# Altium PCB FlatSat Half1.PcbDoc (part 8 of 9)
Units mil, origin at the board's own origin, x right, y up, seen from the top; angles counter-clockwise.
Board outline 4682 x 10392 mil, 4 copper layers (Top Layer, STR GND 1, STR GND 2, Bottom Layer), stack 33.434 mil thick; 231 components, 255 nets, 990 pads, 1106 vias.
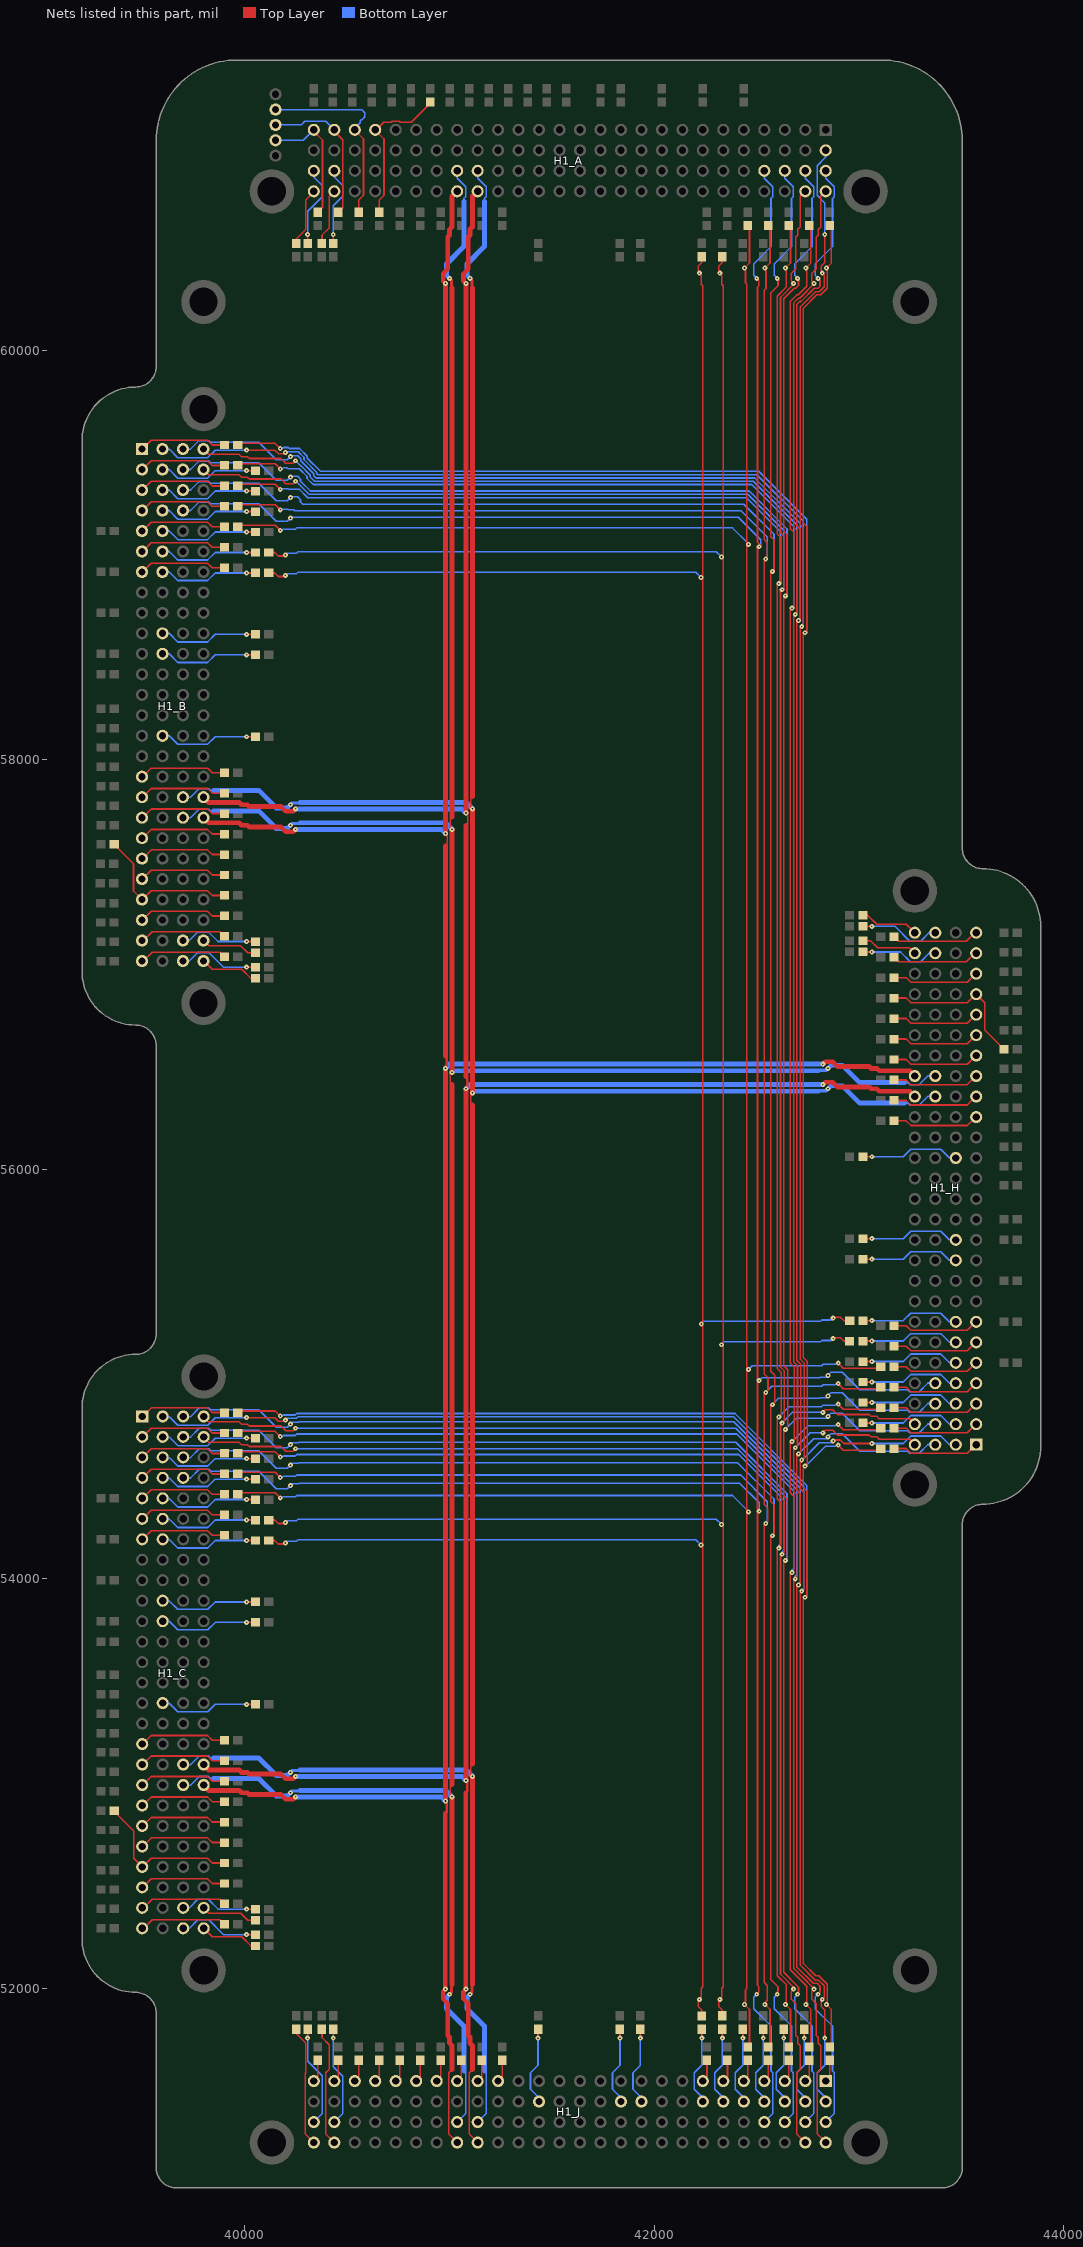
[diagram p10: the nets of this part, all layers, seen from the top]

## Via types
v1: diameter 24, hole 8, Top Layer to Bottom Layer, 1106 vias

## Nets (pads, with @x,y where several pads share a name; then routed paths per layer and width w, separated by ;. In a path a pad name is that pad's centre, name@x,y a point inside that pad or via, vN(x,y) a via of type N, cw(c..) or ccw(c..) an arc to the next point about the centre after c; other vN are vias at no path point) (continued)
NetH1_A_45: H1_A.45 J45_A.1 R45_A.2 | length 756.2
  Top Layer w8: H1_A.45@40637,61071 H1_A.45@40638.26,61072.26 ; H1_A.45@40637,61073.52 H1_A.45@40638.26,61072.26 ; R45_A.2@40657,60673.48 40657,60733.38 40679.53,60755.9 40679.53,61030.99 H1_A.45@40638.26,61072.26 ; J45_A.1@40906.31,61206.52 40812.79,61113 40758.73,61113 40754.2,61117.53 40719.8,61117.53 40714.8,61112.53 40678.53,61112.53 H1_A.45@40638.26,61072.26
NetH1_A_47: H1_A.47 pad.10 R47_A.2 | length 975.1
  Top Layer w8: H1_A.47@40537,61073.52 40579.53,61030.99 40579.53,60755.9 40557,60733.38 R47_A.2@40557,60673.48
  Bottom Layer w8: pad.10@40150,61175 40570.94,61175 40586,61159.94 40586,61140.06 40571.94,61126 40569.06,61126 40563.47,61120.41 40563.47,61110.47 40537,61084 H1_A.47@40537,61076
NetH1_A_49: H1_A.49 pad.9 R49_A.2 | length 737.6
  Top Layer w8: H1_A.49@40437,61073.52 40437,61068.57 40478.53,61027.05 40478.53,60695.01 R49_A.2@40457,60673.48
  Bottom Layer w8: pad.9@40150,61100 40275,61100 40292.53,61117.53 40395.47,61117.53 H1_A.49@40437,61076
NetH1_A_51: H1_A.51 pad.8 R51_A.2 | length 635.1
  Top Layer w8: H1_A.51@40337,61073.52 40337,61068.57 40379.53,61026.05 40379.53,60696.01 R51_A.2@40357,60673.48
  Bottom Layer w8: pad.8@40150,61025 40286,61025 H1_A.51@40337,61076
NetH1_A_101: H1_A.101 R101_A.1 | length 392.4
  Top Layer w8: R101_A.1@40431.67,60526.81 R101_A.1@40431.67,60536.81 ; R101_A.1@40432,60513.48 40432,60551
  Bottom Layer w8: v1(40432,60565) 40432,60705 40478.53,60751.53 40478.53,60793.2 ; H1_A.101@40437,60873.52 40437,60846 40478.47,60804.53 40478.47,60793.26
NetH1_A_102: H1_A.102 R102_A.2 | length 261.7
  Top Layer w8: R102_A.2@40376.67,60536.81 40377,60537.14 40377,60562 40412,60597 40412,60748.52 H1_A.102@40437,60773.52
NetH1_A_103: H1_A.103 R103_A.2 | length 382.9
  Top Layer w8: R103_A.2@40306.67,60536.81 v1@40306.67,60554.33 ; R103_A.2@40307,60531 R103_A.2@40307,60541
  Bottom Layer w8: v1(40307,60565) 40307,60678 40378.53,60749.53 40378.53,60793.2 40378.47,60793.26 40378.47,60804.53 40337,60846 H1_A.103@40337,60873.52
NetH1_A_104: H1_A.104 R104_A.1 | length 272.7
  Top Layer w8: R104_A.1@40252,60536 40252,60543.94 40297.06,60589 40297.06,60733.58 H1_A.104@40337,60773.52
NetH1_B_1: H1_B.1 R1_B.2 | length 427
  Top Layer w8: H1_B.1@39500.48,59517 39543.01,59559.53 39818.1,59559.53 39840.62,59537 R1_B.2@39900.52,59537
NetH1_B_3: H1_B.3 R3_B.2 | length 427
  Top Layer w8: H1_B.3@39500.48,59417 39543.01,59459.53 39818.1,59459.53 39840.62,59437 R3_B.2@39900.52,59437
NetH1_B_4: H1_B.4 R4_B.1 | length 486.9
  Top Layer w8: v1(40009,59412) R4_B.1@40052.19,59412
  Bottom Layer w8: H1_B.4@39598,59417 39631,59417 39673,59375 39818,59375 39855,59412 v1(40009,59412)
NetH1_B_5: H1_B.5 R5_B.2 | length 427
  Top Layer w8: H1_B.5@39500.48,59317 39543.01,59359.53 39818.1,59359.53 39840.62,59337 R5_B.2@39900.52,59337
NetH1_B_6: H1_B.6 R6_B.1 | length 486.9
  Top Layer w8: v1(40009,59312) R6_B.1@40052.19,59312
  Bottom Layer w8: H1_B.6@39598,59317 39631,59317 39673,59275 39818,59275 39855,59312 v1(40009,59312)
NetH1_B_7: H1_B.7 R7_B.2 | length 427
  Top Layer w8: H1_B.7@39500.48,59217 39543.01,59259.53 39818.1,59259.53 39840.62,59237 R7_B.2@39900.52,59237
NetH1_B_8: H1_B.8 R8_B.1 | length 486.9
  Top Layer w8: v1(40009,59212) R8_B.1@40052.19,59212
  Bottom Layer w8: H1_B.8@39598,59217 39631,59217 39673,59175 39818,59175 39855,59212 v1(40009,59212)
NetH1_B_9: H1_B.9 R9_B.2 | length 427
  Top Layer w8: H1_B.9@39500.48,59117 39543.01,59159.53 39818.1,59159.53 39840.62,59137 R9_B.2@39900.52,59137
NetH1_B_10: H1_B.10 R10_B.1 | length 486.9
  Top Layer w8: v1(40009,59112) R10_B.1@40052.19,59112
  Bottom Layer w8: H1_B.10@39598,59117 39631,59117 39673,59075 39818,59075 39855,59112 v1(40009,59112)
NetH1_B_11: H1_B.11 R11_B.2 | length 427
  Top Layer w8: H1_B.11@39500.48,59017 39543.01,59059.53 39818.1,59059.53 39840.62,59037 R11_B.2@39900.52,59037
NetH1_B_12: H1_B.12 R12_B.1 | length 486.9
  Top Layer w8: v1(40009,59012) R12_B.1@40052.19,59012
  Bottom Layer w8: H1_B.12@39598,59017 39631,59017 39673,58975 39818,58975 39855,59012 v1(40009,59012)
NetH1_B_13: H1_B.13 R13_B.2 | length 427
  Top Layer w8: H1_B.13@39500.48,58917 39543.01,58959.53 39818.1,58959.53 39840.62,58937 R13_B.2@39900.52,58937
NetH1_B_14: H1_B.14 R14_B.1 | length 486.9
  Top Layer w8: v1(40009,58912) R14_B.1@40052.19,58912
  Bottom Layer w8: H1_B.14@39598,58917 39631,58917 39673,58875 39818,58875 39855,58912 v1(40009,58912)
NetH1_B_20: H1_B.20 R20_B.1 | length 486.9
  Top Layer w8: v1(40009,58612) R20_B.1@40052.19,58612
  Bottom Layer w8: H1_B.20@39598,58617 39631,58617 39673,58575 39818,58575 39855,58612 v1(40009,58612)
NetH1_B_22: H1_B.22 R22_B.1 | length 486.9
  Top Layer w8: v1(40009,58512) R22_B.1@40052.19,58512
  Bottom Layer w8: H1_B.22@39598,58517 39631,58517 39673,58475 39818,58475 39855,58512 v1(40009,58512)
NetH1_B_30: H1_B.30 R30_B.1 | length 486.9
  Top Layer w8: v1(40009,58112) R30_B.1@40052.19,58112
  Bottom Layer w8: H1_B.30@39598,58117 39631,58117 39673,58075 39818,58075 39855,58112 v1(40009,58112)
NetH1_B_33: H1_B.33 R33_B.2 | length 426.2
  Top Layer w8: H1_B.33@39500.48,57917 39542.01,57958.53 39819.1,57958.53 39840.62,57937 R33_B.2@39900.52,57937
NetH1_B_35: H1_B.35 R35_B.1 | length 427
  Top Layer w8: H1_B.35@39500.48,57817 39543.01,57859.53 39818.1,57859.53 39840.62,57837 R35_B.1@39900.52,57837
NetH1_B_37: H1_B.37 R37_B.2 | length 427
  Top Layer w8: H1_B.37@39500.48,57717 39543.01,57759.53 39818.1,57759.53 39840.62,57737 R37_B.2@39900.52,57737
NetH1_B_39: H1_B.39 R39_B.2 | length 427
  Top Layer w8: H1_B.39@39500.48,57617 39543.01,57659.53 39818.1,57659.53 39840.62,57637 R39_B.2@39900.52,57637
NetH1_B_41: H1_B.41 R41_B.2 | length 427
  Top Layer w8: H1_B.41@39500.48,57517 39543.01,57559.53 39818.1,57559.53 39840.62,57537 R41_B.2@39900.52,57537
NetH1_B_43: H1_B.43 R43_B.2 | length 427
  Top Layer w8: H1_B.43@39500.48,57417 39543.01,57459.53 39818.1,57459.53 39840.62,57437 R43_B.2@39900.52,57437
NetH1_B_45: H1_B.45 J45_B.1 R45_B.2 | length 754.9
  Top Layer w8: J45_B.1@39362.48,57586.31 39456.47,57492.32 39456.47,57358.53 H1_B.45@39498,57317 39500.48,57317 39543.01,57359.53 39818.1,57359.53 39840.62,57337 R45_B.2@39900.52,57337
NetH1_B_47: H1_B.47 R47_B.2 | length 427
  Top Layer w8: H1_B.47@39500.48,57217 39543.01,57259.53 39818.1,57259.53 39840.62,57237 R47_B.2@39900.52,57237
NetH1_B_49: H1_B.49 R49_B.2 | length 427
  Top Layer w8: H1_B.49@39500.48,57117 39505.43,57117 39547.9,57159.47 39721.83,57159.47 39721.88,57159.53 39877.99,57159.53 R49_B.2@39900.52,57137
NetH1_B_51: H1_B.51 R51_B.2 | length 427
  Top Layer w8: H1_B.51@39500.48,57017 39505.43,57017 39547.95,57059.53 39877.99,57059.53 R51_B.2@39900.52,57037
NetH1_B_101: H1_B.101 R101_B.1 | length 392.4
  Top Layer w8: 40023,57112 R101_B.1@40060.52,57112 ; R101_B.1@40037.19,57111.67 R101_B.1@40047.19,57111.67
  Bottom Layer w8: H1_B.101@39700.48,57117 39728,57117 39769.47,57158.47 39780.74,57158.47 ; 39780.8,57158.53 39822.47,57158.53 39869,57112 v1(40009,57112)
NetH1_B_102: H1_B.102 R102_B.2 | length 261.7
  Top Layer w8: H1_B.102@39800.48,57117 39825.48,57092 39979,57092 40014,57057 40036.86,57057 R102_B.2@40037.19,57056.67
NetH1_B_103: H1_B.103 R103_B.2 | length 382.9
  Top Layer w8: v1@40019.67,56986.67 R103_B.2@40037.19,56986.67 ; R103_B.2@40033,56987 R103_B.2@40043,56987
  Bottom Layer w8: H1_B.103@39700.48,57017 39728,57017 39769.47,57058.47 39780.74,57058.47 39780.8,57058.53 39824.47,57058.53 39896,56987 v1(40009,56987)
NetH1_B_104: H1_B.104 R104_B.1 | length 272.7
  Top Layer w8: H1_B.104@39800.48,57017 39840.42,56977.06 39985,56977.06 40030.06,56932 R104_B.1@40038,56932
NetH1_C_1: H1_C.1 R1_C.2 | length 427
  Top Layer w8: H1_C.1@39500.48,54792 39543.01,54834.53 39818.1,54834.53 39840.62,54812 R1_C.2@39900.52,54812
NetH1_C_3: H1_C.3 R3_C.2 | length 427
  Top Layer w8: H1_C.3@39500.48,54692 39543.01,54734.53 39818.1,54734.53 39840.62,54712 R3_C.2@39900.52,54712
NetH1_C_4: H1_C.4 R4_C.1 | length 486.5
  Top Layer w8: v1(40009,54687) R4_C.1@40052.19,54687
  Bottom Layer w8: H1_C.4@39598,54692 39631,54692 39672.47,54650.53 39818.53,54650.53 39855,54687 v1(40009,54687)
NetH1_C_5: H1_C.5 R5_C.2 | length 427
  Top Layer w8: H1_C.5@39500.48,54592 39543.01,54634.53 39818.1,54634.53 39840.62,54612 R5_C.2@39900.52,54612
NetH1_C_6: H1_C.6 R6_C.1 | length 486.5
  Top Layer w8: v1(40009,54587) R6_C.1@40052.19,54587
  Bottom Layer w8: H1_C.6@39598,54592 39631,54592 39672.47,54550.53 39818.53,54550.53 39855,54587 v1(40009,54587)
NetH1_C_7: H1_C.7 R7_C.2 | length 427
  Top Layer w8: H1_C.7@39500.48,54492 39543.01,54534.53 39818.1,54534.53 39840.62,54512 R7_C.2@39900.52,54512
NetH1_C_8: H1_C.8 R8_C.1 | length 486.5
  Top Layer w8: v1(40009,54487) R8_C.1@40052.19,54487
  Bottom Layer w8: H1_C.8@39598,54492 39631,54492 39672.47,54450.53 39818.53,54450.53 39855,54487 v1(40009,54487)
NetH1_C_9: H1_C.9 R9_C.2 | length 427
  Top Layer w8: H1_C.9@39500.48,54392 39543.01,54434.53 39818.1,54434.53 39840.62,54412 R9_C.2@39900.52,54412
NetH1_C_10: H1_C.10 R10_C.1 | length 486.5
  Top Layer w8: v1(40009,54387) R10_C.1@40052.19,54387
  Bottom Layer w8: H1_C.10@39598,54392 39631,54392 39672.47,54350.53 39818.53,54350.53 39855,54387 v1(40009,54387)
NetH1_C_11: H1_C.11 R11_C.2 | length 427
  Top Layer w8: H1_C.11@39500.48,54292 39543.01,54334.53 39818.1,54334.53 39840.62,54312 R11_C.2@39900.52,54312
NetH1_C_12: H1_C.12 R12_C.1 | length 486.5
  Top Layer w8: v1(40009,54287) R12_C.1@40052.19,54287
  Bottom Layer w8: H1_C.12@39598,54292 39631,54292 39672.47,54250.53 39818.53,54250.53 39855,54287 v1(40009,54287)
NetH1_C_13: H1_C.13 R13_C.2 | length 427
  Top Layer w8: H1_C.13@39500.48,54192 39543.01,54234.53 39818.1,54234.53 39840.62,54212 R13_C.2@39900.52,54212
NetH1_C_14: H1_C.14 R14_C.1 | length 486.5
  Top Layer w8: v1(40009,54187) R14_C.1@40052.19,54187
  Bottom Layer w8: H1_C.14@39598,54192 39631,54192 39672.47,54150.53 39818.53,54150.53 39855,54187 v1(40009,54187)
NetH1_C_20: H1_C.20 R20_C.1 | length 486.5
  Top Layer w8: v1(40009,53887) R20_C.1@40052.19,53887
  Bottom Layer w8: H1_C.20@39598,53892 39631,53892 39672.47,53850.53 39818.53,53850.53 39855,53887 v1(40009,53887)
NetH1_C_22: H1_C.22 R22_C.1 | length 486.5
  Top Layer w8: v1(40009,53787) R22_C.1@40052.19,53787
  Bottom Layer w8: H1_C.22@39598,53792 39631,53792 39672.47,53750.53 39818.53,53750.53 39855,53787 v1(40009,53787)
NetH1_C_30: H1_C.30 R30_C.1 | length 486.5
  Top Layer w8: v1(40009,53387) R30_C.1@40052.19,53387
  Bottom Layer w8: H1_C.30@39598,53392 39631,53392 39672.47,53350.53 39818.53,53350.53 39855,53387 v1(40009,53387)
NetH1_C_33: H1_C.33 R33_C.2 | length 427
  Top Layer w8: H1_C.33@39500.48,53192 39543.01,53234.53 39818.1,53234.53 39840.62,53212 R33_C.2@39900.52,53212
NetH1_C_35: H1_C.35 R35_C.1 | length 427
  Top Layer w8: H1_C.35@39500.48,53092 39543.01,53134.53 39818.1,53134.53 39840.62,53112 R35_C.1@39900.52,53112
NetH1_C_37: H1_C.37 R37_C.2 | length 427
  Top Layer w8: H1_C.37@39500.48,52992 39543.01,53034.53 39818.1,53034.53 39840.62,53012 R37_C.2@39900.52,53012
NetH1_C_39: H1_C.39 R39_C.2 | length 427
  Top Layer w8: H1_C.39@39500.48,52892 39543.01,52934.53 39818.1,52934.53 39840.62,52912 R39_C.2@39900.52,52912
NetH1_C_41: H1_C.41 R41_C.2 | length 427
  Top Layer w8: H1_C.41@39500.48,52792 39543.01,52834.53 39818.1,52834.53 39840.62,52812 R41_C.2@39900.52,52812
NetH1_C_43: H1_C.43 R43_C.2 | length 427
  Top Layer w8: H1_C.43@39500.48,52692 39543.01,52734.53 39818.1,52734.53 39840.62,52712 R43_C.2@39900.52,52712
NetH1_C_45: H1_C.45 J45_C.1 R45_C.2 | length 752.4
  Top Layer w8: J45_C.1@39363.48,52862.31 39457.47,52768.32 39457.47,52634.53 H1_C.45@39499,52593 ; H1_C.45@39500.48,52592 39543.01,52634.53 39818.1,52634.53 39840.62,52612 R45_C.2@39900.52,52612
NetH1_C_47: H1_C.47 R47_C.2 | length 427
  Top Layer w8: H1_C.47@39500.48,52492 39543.01,52534.53 39818.1,52534.53 39840.62,52512 R47_C.2@39900.52,52512
NetH1_C_49: H1_C.49 R49_C.2 | length 427
  Top Layer w8: H1_C.49@39500.48,52392 39505.43,52392 39547.95,52434.53 39877.99,52434.53 R49_C.2@39900.52,52412
NetH1_C_51: H1_C.51 R51_C.2 | length 427
  Top Layer w8: H1_C.51@39500.48,52292 39505.43,52292 39547.95,52334.53 39877.99,52334.53 R51_C.2@39900.52,52312
NetH1_C_101: H1_C.101 R101_C.1 | length 393.3
  Top Layer w8: 40023,52387 R101_C.1@40060.52,52387 ; R101_C.1@40037.19,52386.67 R101_C.1@40047.19,52386.67
  Bottom Layer w8: H1_C.101@39700.48,52392 39728,52392 39770.53,52434.53 39821.47,52434.53 39869,52387 v1(40009,52387)
NetH1_C_102: H1_C.102 R102_C.2 | length 261.7
  Top Layer w8: H1_C.102@39800.48,52392 39825.48,52367 39980,52367 40015,52332 40036.86,52332 R102_C.2@40037.19,52331.67
NetH1_C_103: H1_C.103 R103_C.2 | length 383.7
  Top Layer w8: v1@40019.67,52261.67 R103_C.2@40037.19,52261.67 ; R103_C.2@40033,52262 R103_C.2@40043,52262
  Bottom Layer w8: H1_C.103@39700.48,52292 39728,52292 39770.53,52334.53 39823.47,52334.53 39896,52262 v1(40009,52262)
NetH1_C_104: H1_C.104 R104_C.1 | length 272.7
  Top Layer w8: H1_C.104@39800.48,52292 39840.42,52252.06 39985,52252.06 40030.06,52207 R104_C.1@40038,52207
NetH1_E_1: H1_J.1 R1_E.2 | length 109.8
  Top Layer w8: H1_J.1@42837,51547 42857,51567 R1_E.2@42857,51648.52
NetH1_E_3: H1_J.3 R3_E.2 | length 109.8
  Top Layer w8: H1_J.3@42737,51547 42757,51567 R3_E.2@42757,51648.52
NetH1_E_4: H1_J.4 R4_E.1 | length 385.5
  Top Layer w8: v1(42732,51757) R4_E.1@42732,51800.19
  Bottom Layer w8: v1(42732,51757) 42732,51624 42695.47,51587.47 42695.47,51507.53 42737,51466 H1_J.4@42737,51447
NetH1_E_5: H1_J.5 R5_E.2 | length 109.8
  Top Layer w8: H1_J.5@42637,51547 42657,51567 R5_E.2@42657,51648.52
NetH1_E_6: H1_J.6 R6_E.1 | length 385.5
  Top Layer w8: v1(42632,51757) R6_E.1@42632,51800.19
  Bottom Layer w8: v1(42632,51757) 42632,51624 42595.47,51587.47 42595.47,51507.53 42637,51466 H1_J.6@42637,51447
NetH1_E_7: H1_J.7 R7_E.2 | length 109.8
  Top Layer w8: H1_J.7@42537,51547 42557,51567 R7_E.2@42557,51648.52
NetH1_E_8: H1_J.8 R8_E.1 | length 385.5
  Top Layer w8: v1(42532,51757) R8_E.1@42532,51800.19
  Bottom Layer w8: v1(42532,51757) 42532,51624 42495.47,51587.47 42495.47,51507.53 42537,51466 H1_J.8@42537,51447
NetH1_E_9: H1_J.9 R9_E.2 | length 109.8
  Top Layer w8: H1_J.9@42437,51547 42457,51567 R9_E.2@42457,51648.52
NetH1_E_10: H1_J.10 R10_E.1 | length 385.5
  Top Layer w8: v1(42432,51757) R10_E.1@42432,51800.19
  Bottom Layer w8: v1(42432,51757) 42432,51624 42395.47,51587.47 42395.47,51507.53 42437,51466 H1_J.10@42437,51447
NetH1_E_11: H1_J.11 R11_E.2 | length 109.8
  Top Layer w8: H1_J.11@42337,51547 42357,51567 R11_E.2@42357,51648.52
NetH1_E_12: H1_J.12 R12_E.1 | length 385.5
  Top Layer w8: v1(42332,51757) R12_E.1@42332,51800.19
  Bottom Layer w8: v1(42332,51757) 42332,51624 42295.47,51587.47 42295.47,51507.53 42337,51466 H1_J.12@42337,51447
NetH1_E_13: H1_J.13 R13_E.2 | length 109.8
  Top Layer w8: H1_J.13@42237,51547 42257,51567 R13_E.2@42257,51648.52
NetH1_E_14: H1_J.14 R14_E.1 | length 385.5
  Top Layer w8: v1(42232,51757) R14_E.1@42232,51800.19
  Bottom Layer w8: v1(42232,51757) 42232,51624 42195.47,51587.47 42195.47,51507.53 42237,51466 H1_J.14@42237,51447
NetH1_E_20: H1_J.20 R20_E.1 | length 385.5
  Top Layer w8: v1(41932,51757) R20_E.1@41932,51800.19
  Bottom Layer w8: v1(41932,51757) 41932,51624 41895.47,51587.47 41895.47,51507.53 41937,51466 H1_J.20@41937,51447
NetH1_E_22: H1_J.22 R22_E.1 | length 385.5
  Top Layer w8: v1(41832,51757) R22_E.1@41832,51800.19
  Bottom Layer w8: v1(41832,51757) 41832,51624 41795.47,51587.47 41795.47,51507.53 41837,51466 H1_J.22@41837,51447
NetH1_E_30: H1_J.30 R30_E.1 | length 385.5
  Top Layer w8: v1(41432,51757) R30_E.1@41432,51800.19
  Bottom Layer w8: v1(41432,51757) 41432,51624 41395.47,51587.47 41395.47,51507.53 41437,51466 H1_J.30@41437,51447
NetH1_E_33: H1_J.33 R33_E.2 | length 109.8
  Top Layer w8: H1_J.33@41237,51547 41257,51567 R33_E.2@41257,51648.52
NetH1_E_35: H1_J.35 R35_E.1 | length 109.8
  Top Layer w8: H1_J.35@41137,51547 41157,51567 R35_E.1@41157,51648.52
NetH1_E_37: H1_J.37 R37_E.2 | length 109.8
  Top Layer w8: H1_J.37@41037,51547 41057,51567 R37_E.2@41057,51648.52
NetH1_E_39: H1_J.39 R39_E.2 | length 109.8
  Top Layer w8: H1_J.39@40937,51547 40957,51567 R39_E.2@40957,51648.52
NetH1_E_41: H1_J.41 R41_E.2 | length 109.8
  Top Layer w8: H1_J.41@40837,51547 40857,51567 R41_E.2@40857,51648.52
NetH1_E_43: H1_J.43 R43_E.2 | length 109.8
  Top Layer w8: H1_J.43@40737,51547 40757,51567 R43_E.2@40757,51648.52
NetH1_E_45: H1_J.45 R45_E.2 | length 109.8
  Top Layer w8: H1_J.45@40637,51547 40657,51567 R45_E.2@40657,51648.52
NetH1_E_47: H1_J.47 R47_E.2 | length 109.8
  Top Layer w8: H1_J.47@40537,51547 40557,51567 R47_E.2@40557,51648.52
NetH1_E_49: H1_J.49 R49_E.2 | length 109.8
  Top Layer w8: H1_J.49@40437,51547 40457,51567 R49_E.2@40457,51648.52
NetH1_E_51: H1_J.51 R51_E.2 | length 109.8
  Top Layer w8: H1_J.51@40337,51547 40357,51567 R51_E.2@40357,51648.52
NetH1_E_101: H1_J.101 R101_E.1 | length 494
  Top Layer w8: R101_E.1@40431.67,51785.19 R101_E.1@40431.67,51795.19 ; 40432,51771 R101_E.1@40432,51808.52
  Bottom Layer w8: v1(40432,51757) 40432,51617 40478.53,51570.47 40478.53,51388.53 H1_J.101@40437,51347
NetH1_E_102: H1_J.102 R102_E.2 | length 576.9
  Top Layer w8: R102_E.2@40376.67,51785.19 40377,51784.86 40377,51760 40412,51725 40412,51604 40395.47,51587.47 40395.47,51288.53 H1_J.102@40437,51247
NetH1_E_103: H1_J.103 R103_E.2 | length 484.3
  Top Layer w8: v1@40306.67,51767.67 R103_E.2@40306.67,51785.19 ; R103_E.2@40307,51781 R103_E.2@40307,51791
  Bottom Layer w8: v1(40307,51757) 40307,51644 40378.53,51572.47 40378.53,51388.53 H1_J.103@40337,51347
NetH1_E_104: H1_J.104 R104_E.1 | length 575.5
  Top Layer w8: R104_E.1@40252,51786 40252,51778.06 40297.06,51733 40297.06,51588.42 40295.47,51586.83 40295.47,51288.53 H1_J.104@40337,51247
NetH1_H_1: H1_H.1 R1_H.2 | length 427
  Top Layer w8: R1_H.2@43170.48,54636 43230.38,54636 43252.9,54613.47 43527.99,54613.47 H1_H.1@43570.52,54656
NetH1_H_3: H1_H.3 R3_H.2 | length 427
  Top Layer w8: R3_H.2@43170.48,54736 43230.38,54736 43252.9,54713.47 43527.99,54713.47 H1_H.3@43570.52,54756
NetH1_H_4: H1_H.4 R4_H.1 | length 486.5
  Top Layer w8: R4_H.1@43018.81,54761 v1(43062,54761)
  Bottom Layer w8: v1(43062,54761) 43216,54761 43252.47,54797.47 43398.53,54797.47 43440,54756 H1_H.4@43473,54756
NetH1_H_5: H1_H.5 R5_H.2 | length 427
  Top Layer w8: R5_H.2@43170.48,54836 43230.38,54836 43252.9,54813.47 43527.99,54813.47 H1_H.5@43570.52,54856
NetH1_H_6: H1_H.6 R6_H.1 | length 486.5
  Top Layer w8: R6_H.1@43018.81,54861 v1(43062,54861)
  Bottom Layer w8: v1(43062,54861) 43216,54861 43252.47,54897.47 43398.53,54897.47 43440,54856 H1_H.6@43473,54856
NetH1_H_7: H1_H.7 R7_H.2 | length 427
  Top Layer w8: R7_H.2@43170.48,54936 43230.38,54936 43252.9,54913.47 43527.99,54913.47 H1_H.7@43570.52,54956
NetH1_H_8: H1_H.8 R8_H.1 | length 486.5
  Top Layer w8: R8_H.1@43018.81,54961 v1(43062,54961)
  Bottom Layer w8: v1(43062,54961) 43216,54961 43252.47,54997.47 43398.53,54997.47 43440,54956 H1_H.8@43473,54956
NetH1_H_9: H1_H.9 R9_H.2 | length 427
  Top Layer w8: R9_H.2@43170.48,55036 43230.38,55036 43252.9,55013.47 43527.99,55013.47 H1_H.9@43570.52,55056
NetH1_H_10: H1_H.10 R10_H.1 | length 486.5
  Top Layer w8: R10_H.1@43018.81,55061 v1(43062,55061)
  Bottom Layer w8: v1(43062,55061) 43216,55061 43252.47,55097.47 43398.53,55097.47 43440,55056 H1_H.10@43473,55056
NetH1_H_11: H1_H.11 R11_H.2 | length 427
  Top Layer w8: R11_H.2@43170.48,55136 43230.38,55136 43252.9,55113.47 43527.99,55113.47 H1_H.11@43570.52,55156
NetH1_H_12: H1_H.12 R12_H.1 | length 486.5
  Top Layer w8: R12_H.1@43018.81,55161 v1(43062,55161)
  Bottom Layer w8: v1(43062,55161) 43216,55161 43252.47,55197.47 43398.53,55197.47 43440,55156 H1_H.12@43473,55156
NetH1_H_13: H1_H.13 R13_H.2 | length 427
  Top Layer w8: R13_H.2@43170.48,55236 43230.38,55236 43252.9,55213.47 43527.99,55213.47 H1_H.13@43570.52,55256
NetH1_H_14: H1_H.14 R14_H.1 | length 486.5
  Top Layer w8: R14_H.1@43018.81,55261 v1(43062,55261)
  Bottom Layer w8: v1(43062,55261) 43216,55261 43252.47,55297.47 43398.53,55297.47 43440,55256 H1_H.14@43473,55256
NetH1_H_20: H1_H.20 R20_H.1 | length 486.5
  Top Layer w8: R20_H.1@43018.81,55561 v1(43062,55561)
  Bottom Layer w8: v1(43062,55561) 43216,55561 43252.47,55597.47 43398.53,55597.47 43440,55556 H1_H.20@43473,55556
NetH1_H_22: H1_H.22 R22_H.1 | length 486.5
  Top Layer w8: R22_H.1@43018.81,55661 v1(43062,55661)
  Bottom Layer w8: v1(43062,55661) 43216,55661 43252.47,55697.47 43398.53,55697.47 43440,55656 H1_H.22@43473,55656